# Altium PCB KlusterLab r2.0.PcbDoc (part 15 of 22) (continued)
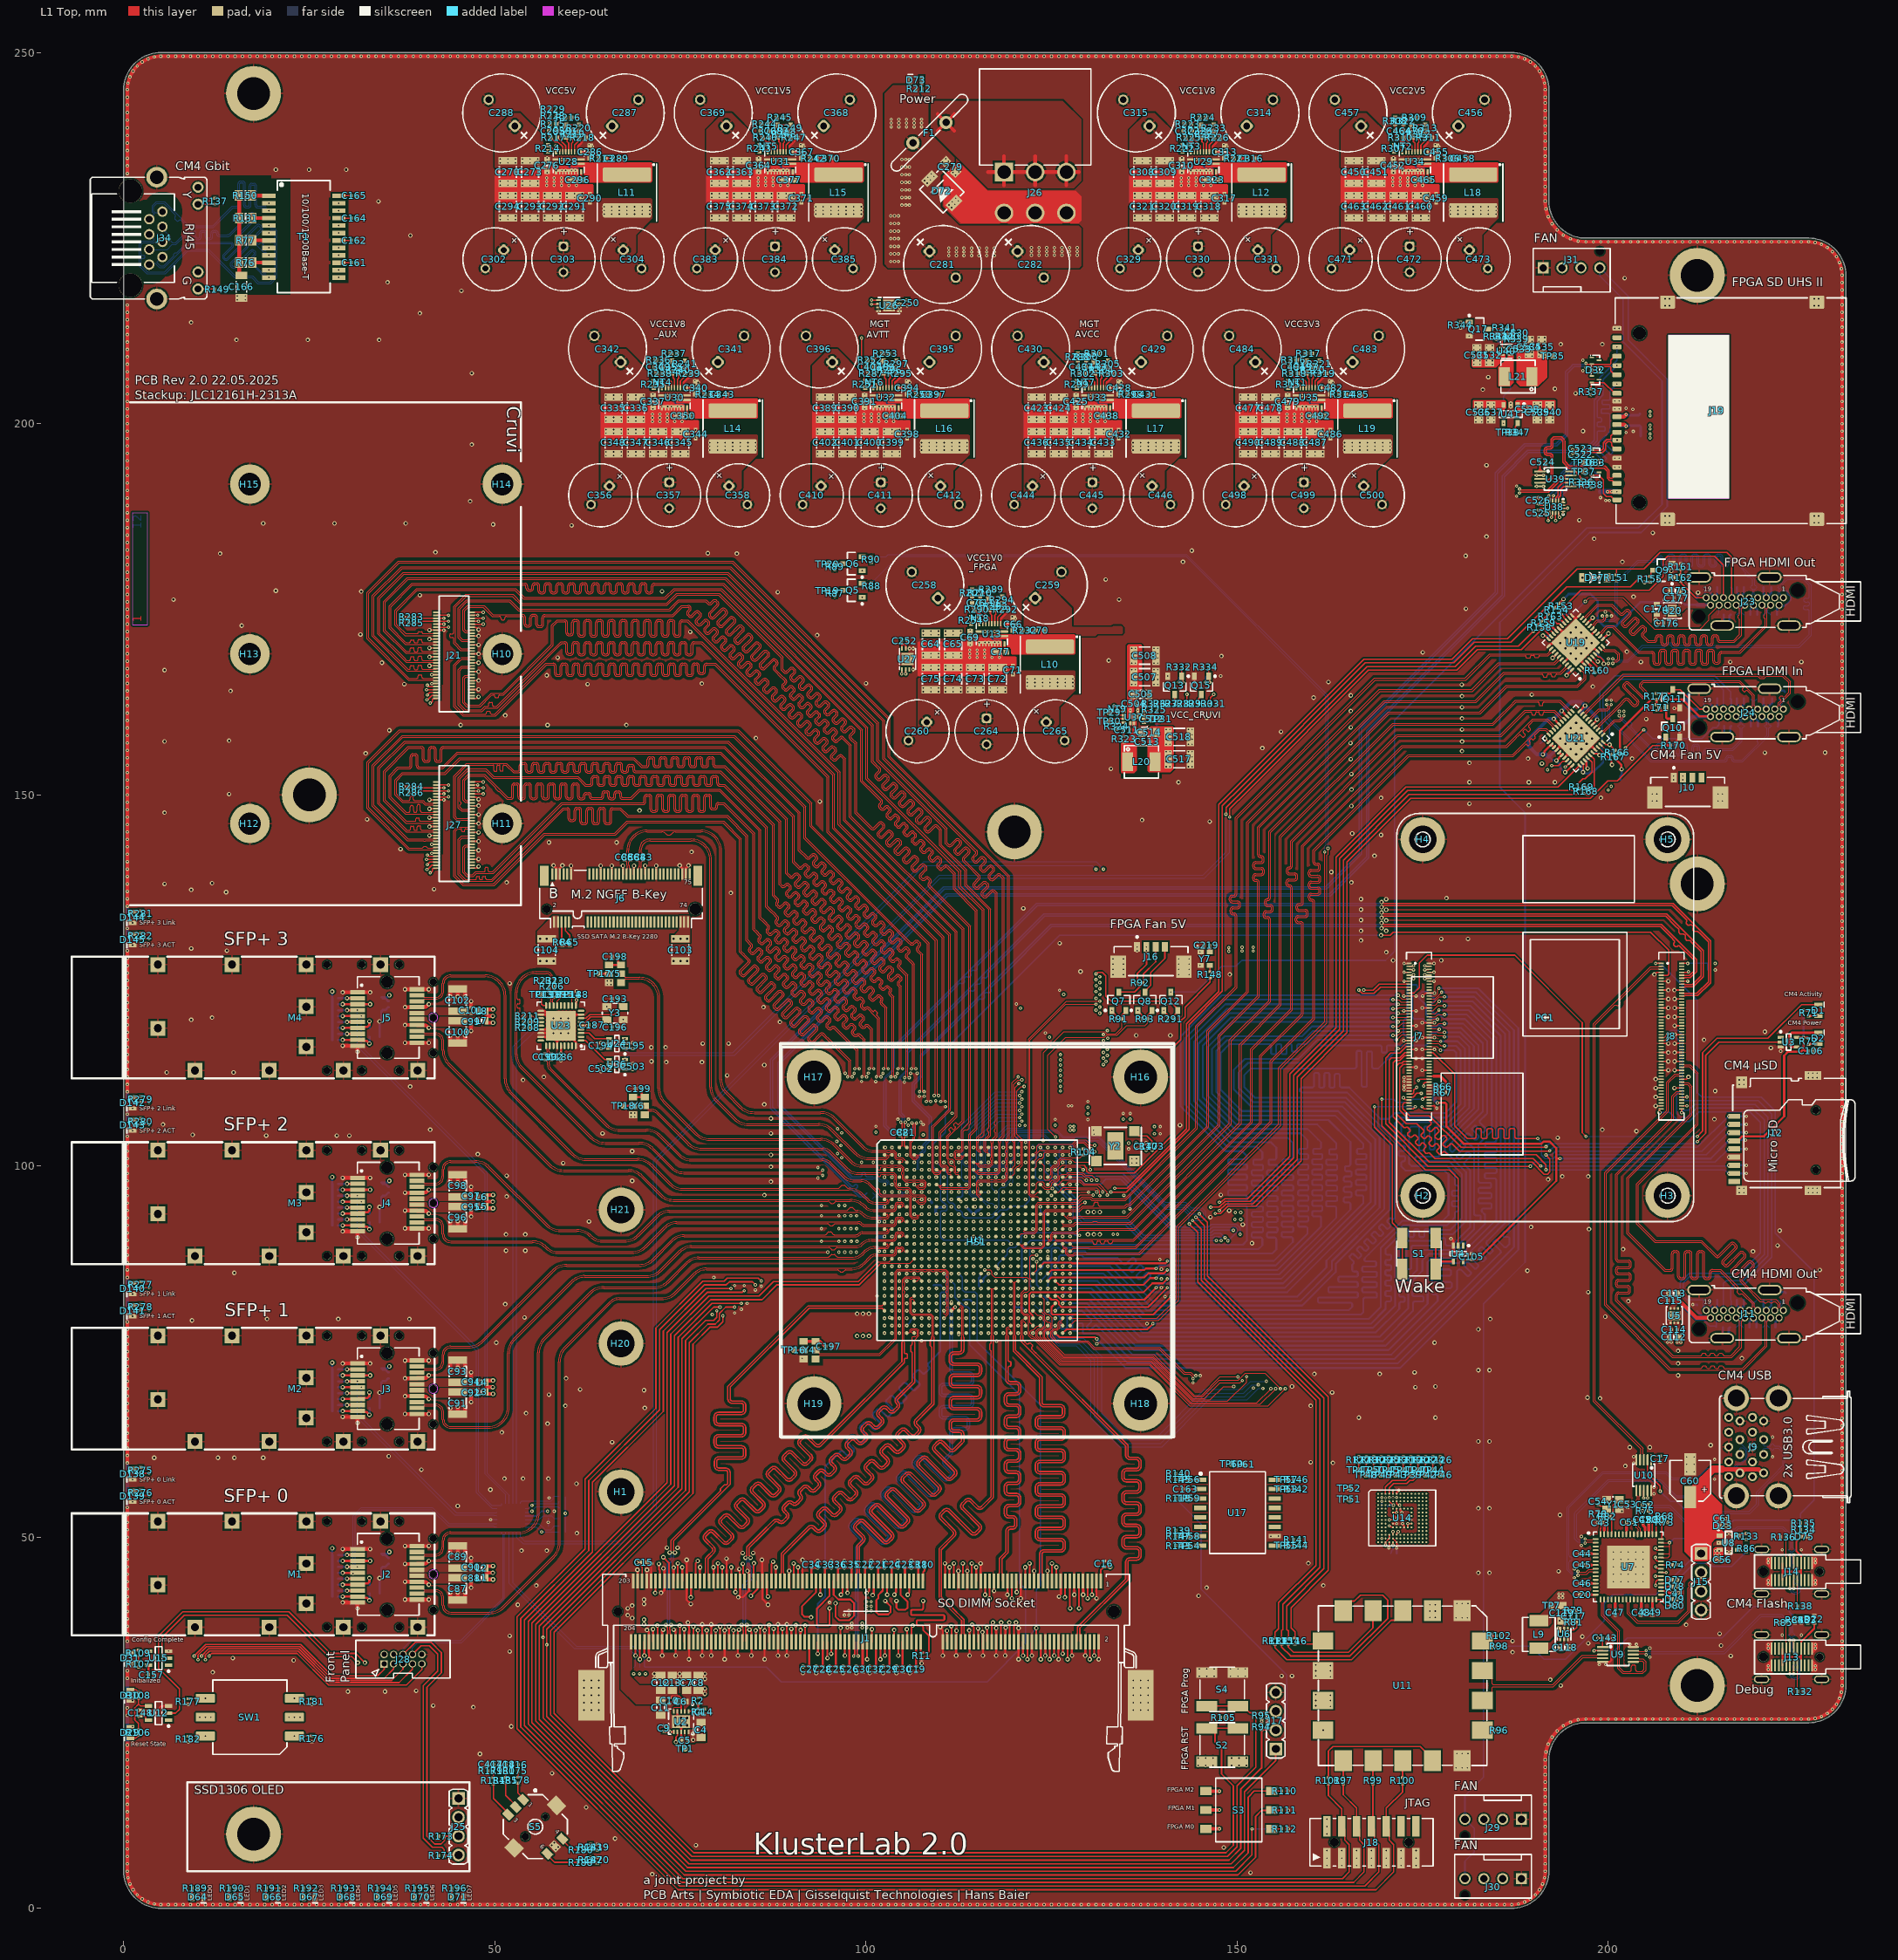
[diagram p0: L1 Top view]
## Nets (pads, with @x,y where several pads share a name; then routed paths per layer and width w, separated by ;. In a path a pad name is that pad's centre, name@x,y a point inside that pad or via, vN(x,y) a via of type N, cw(c..) or ccw(c..) an arc to the next point about the centre after c; other vN are vias at no path point) (continued)
  L12 Bottom w0.5: C246.2@101.5,90.375 101.565,90.44 102.44,90.44 v1(102.5,90.5) ; C261.2@101.7,94.475 101.725,94.5 v1(102.5,94.5) ; C178.1@209.797,162.754 C178.1@210.547,162.754 ; D51.1@211.897,161.479 211.09,161.479 210.797,161.772 210.797,162.504 C178.1@210.547,162.754 ; J24.MT@212.245,164.304 211.589,164.304 210.797,163.512 210.797,163.004 C178.1@210.547,162.754
  other v1: 10,0.5 13,0.5 29,0.5 32,0.5 36,0.5 42,0.5 48,0.5 52,0.5 54,0.5 61,0.5 70,0.5 74,0.5 76,0.5 79,0.499 85,0.499 97,0.5 101,0.5 106,0.5 109,0.5 111,0.5 114,0.5 118,0.5 132,0.5 137,0.5 140,0.5 152,0.5 155,0.5 163,0.499 170,0.499 171,0.499 173,0.499 175,0.499 177,0.499 180,0.499 181,0.499 183,0.499 4.122,0.587 187.878,0.587 3.278,0.843 188.722,0.843 2.5,1.258 189.5,1.258 10.75,1.5 15.75,1.5 20.75,1.5 25.75,1.5 30.75,1.5 35.75,1.5 40.75,1.5 45.75,1.5 1.818,1.818 190.182,1.818 1.258,2.5 190.742,2.5 0.843,3.278 191.157,3.278 0.587,4.122 191.414,4.122 162.1,5.775 164.1,5.775 166.1,5.775 168.1,5.775 170.1,5.775 172.1,5.775 174.1,5.775 0.5,6 191.5,6 162.1,6.775 164.1,6.775 166.1,6.775 168.1,6.775 170.1,6.775 172.1,6.775 174.1,6.775 63.8,6.895 162.1,7.775 164.1,7.775 166.1,7.775 168.1,7.775 170.1,7.775 172.1,7.775 174.1,7.775 58.202,7.901 58.552,8.251 57.652,8.501 63.8,8.645 58.002,8.851 191.5,9 0.5,10 156.9,10.7 191.5,11 156.9,13.2 191.5,14 156.9,15.8 191.5,17 0.5,18 191.5,18 179.5,18.925 180.3,18.925 181,18.925 191.5,19 52.355,19.35 49.055,19.4 50.705,19.395 179.6,20.875 180.3,20.875 181.1,20.875 0.5,21 191.606,21.073 191.919,22.105 8.7,22.405 25.35,22.455 192.427,23.056 193.111,23.889 193.944,24.573 194.895,25.081 195.927,25.394 198,25.5 200,25.5 203,25.5 209,25.5 210,25.5 213,25.5 217,25.5 218,25.5 219,25.5 220,25.5 221,25.5 222,25.5 223,25.5 224,25.5 225,25.5 226,25.5 227.878,25.586 148.6,25.7 228.722,25.843 229.5,26.258 2,26.7 62,26.7 63,26.7 64,26.7 136,26.7 137,26.7 138,26.7 230.182,26.818 8.7,27.455 25.35,27.455 230.742,27.5 62,27.7 63,27.7 64,27.7 136,27.7 137,27.7 138,27.7 1.2,28 231.157,28.278 62,28.7 63,28.7 64,28.7 136,28.7 137,28.7 138,28.7 231.414,29.122 226.295,29.2 62,29.7 63,29.7 64,29.7 136,29.7 137,29.7 138,29.7 62,30.7 63,30.7 64,30.7 136,30.7 137,30.7 138,30.7 231.5,31 162.55,31.2 144.9,31.25 145.9,31.25 146.9,31.25 149.1,31.25 150.1,31.25 151.1,31.25 160.6,31.3 4.215,31.45 160.6,32 162.55,32 221.55,32.166 227.9,32.166 144.9,32.25 145.9,32.25 146.9,32.25 149.1,32.25 150.1,32.25 151.1,32.25 221.55,32.666 227.9,32.666 162.55,32.7 160.6,32.8 1.2,32.9 205.6,33.85 231.5,34 6.05,34.65 194.85,34.85 205.6,35.05 221.55,35.05 227.9,35.05 194.85,35.35 221.55,35.55 227.9,35.55 185.695,36.7 223.425,36.8 226.025,36.8 97.5,37.8 98.1,37.8 98.1,38.4 225.16,38.423 226.01,38.423 223.2,38.5 193.45,38.75 194.05,38.75 179.5,39.125 180.3,39.125 181,39.125 227.75,39.375 200.95,39.455 204.45,39.455 205.95,39.455 97.1,39.5 97.7,39.5 0.5,40 231.5,40 97.7,40.1 226.295,40.7 179.6,41.075 180.3,41.075 181.1,41.075 95.1,41.2 196.155,42.25 209.445,42.5 221.55,43.666 227.9,43.666 196.155,43.75 200.7,44 201.7,44 202.7,44 203.7,44 204.7,44 221.55,44.166 227.9,44.166 195.423,44.53 200.7,45 201.7,45 202.7,45 203.7,45 204.7,45 195.423,45.73 200.7,46 201.7,46 202.7,46 203.7,46 204.7,46 231.499,46 196.155,46.25 221.55,46.55 227.9,46.55 215.795,46.95 200.7,47 201.7,47 202.7,47 203.7,47 204.7,47 231.499,47 221.55,47.05 227.9,47.05 196.155,47.75 200.7,48 201.7,48 202.7,48 203.7,48 204.7,48 216,48.05 216.5,48.05 223.425,48.3 226.025,48.3 196.386,48.893 214.853,49.242 215.353,49.242 216,49.25 216.5,49.25 169.495,49.829 223.2,50 226.85,50.05 196.386,50.093 154.535,50.125 216,50.45 216.5,50.45 231.499,51 215.875,51.55 226.69,51.9 198.555,51.95 203.245,52 215.845,52.5 204.65,52.745 205.45,52.745 206.45,52.745 207.995,52.8 0.5,53 57.995,53.5 198.65,53.495 201.85,53.5 201.15,54 202.6,54.005 204.605,54.35 1.2,54.75 200.15,54.8 198.65,55.195 57.32,55.28 199.45,55.3 142.667,56.487 165.089,56.6 1.2,57.75 214.334,57.823 210.55,58.8 211.55,58.8 210.55,59.8 211.55,59.8 150.788,59.812 206.986,60.155 166.895,60.429 167.895,60.429 168.895,60.429 169.895,60.429 170.895,60.429 171.895,60.429 172.895,60.429 173.895,60.429 174.895,60.429 175.895,60.429 176.895,60.429 214.334,60.473 210.55,60.8 211.55,60.8 222.134,60.823 222.134,63.473 231.499,64 231.499,67 144.061,70.795 0.5,71 145.016,71.75 231.5,72 91.4,74.1 231.5,75 95.5,75.7 131.102,76.05 207.977,76.254 208.477,76.254 117.598,76.4 107.5,76.475 208.202,76.954 112.5,77.3 102.5,77.5 122.5,77.5 208.482,77.954 115.498,78.5 125.5,78.5 137.85,78.75 231.5,79 108.5,79.5 118.502,79.5 208.397,79.554 208.897,79.554 209.397,79.554 1.2,79.75 79.3,80 208.397,80.154 208.897,80.154 209.397,80.154 82.3,80.2 83.2,80.7 231.5,81 84,81.5 104.5,81.5 207.982,81.854 140.3,82.4 101.475,82.5 107.5,82.5 117.5,82.5 127.5,82.5 1.2,82.75 208.102,82.854 85.1,83.3 120.5,83.5 139.8,83.6 85.9,83.8 82.3,83.9 83.6,83.9 231.5,84 103.5,84.5 113.5,84.5 139.8,84.8 79.5,85 106.5,85.5 126.5,85.5 139.8,86.1 109.5,86.5 111.5,86.5 113.5,86.5 115.5,86.5 119.5,86.5 139.6,87.4 102.5,87.5 104.5,87.5 105.5,87.5 110.5,87.5 112.5,87.5 114.5,87.5 116.5,87.5 122.5,87.5 128.495,87.5 94.855,88.4 96.355,88.4 98.705,88.4 102.5,88.5 103.5,88.5 106.5,88.5 111.5,88.5 112.5,88.5 113.5,88.5 115.5,88.5 125.5,88.5 109.5,88.7 104.5,89.5 105.5,89.5 108.5,89.5 110.5,89.5 112.5,89.5 113.5,89.5 114.5,89.5 116.5,89.5 118.5,89.5 94.005,89.85 96.355,89.85 98.795,89.85 103.5,90.5 106.5,90.5 108.5,90.5 111.5,90.5 112.5,90.5 113.5,90.5 115.5,90.5 121.5,90.5 105.5,91.5 108.5,91.5 110.5,91.5 112.5,91.5 114.5,91.5 116.5,91.5 94.005,91.55 96.355,91.55 98.745,91.55 0.5,92 102.5,92.5 106.5,92.5 111.5,92.5 113.5,92.5 115.5,92.5 127.5,92.5 94.005,93.3 96.355,93.3 98.745,93.3 104.5,93.5 105.5,93.5 108.5,93.5 110.5,93.5 112.5,93.5 120.5,93.5 103.5,94.5 106.5,94.5 94.005,94.7 96.355,94.7 105.5,95.5 116.5,95.5 126.5,95.5 124.975,96.05 217.65,96.4 218.25,96.4 226.95,96.4 227.55,96.4 228.15,96.4 102.5,96.5 106.5,96.5 109.5,96.5 119.5,96.5 217.65,97 218.25,97 226.95,97 227.55,97 228.15,97 108.5,97.484 104.5,97.504 105.5,97.5 122.5,97.5 128.4,97.5 0.5,98 231.5,98 93.534,98.393 102.5,98.5 103.5,98.5 106.5,98.5 108.5,98.5 115.5,98.5 125.5,98.5 105.5,99.5 108.5,99.5 118.5,99.5 93.534,99.807 99.4,100.503 102.5,100.5 106.5,100.5 108.5,100.5 111.5,100.5 121.493,100.507 216.2,101.2 105.5,101.5 108.5,101.5 114.5,101.5 124.5,101.5 96.171,101.679 135.4,102.305 136.4,102.305 102.6,102.5 103.5,102.5 106.5,102.5 107.2,102.5 108.5,102.5 127.5,102.5 137.75,103.145 96.071,103.329 112.475,103.575 231.5,104 130.725,104.3 139.645,104.35 1.2,104.75 130.656,104.831 96.171,105.029 139.645,105.3 101.35,105.345 105.7,105.5 107.7,105.575 107.4,105.9 129.9,106.255 104.292,106.3 105.708,106.3 125.5,106.295 68.35,106.65 68.85,106.65 134.65,107.095 135.6,107.095 111.6,107.1 68.35,107.15 68.85,107.15 1.2,107.75 110.7,108 127.275,108.1 127.725,108.1 129.9,108.695 109.4,108.8 107.2,109.4 107.846,109.4 68.9,110.4 0.5,111 217.65,111 218.25,111 231.5,111 105.153,111.3 101.319,111.382 99.4,111.4 103.282,111.4 217.65,111.6 218.25,111.6 226.95,111.9 227.55,111.9 228.15,111.9 231.5,112 97.2,112.5 98.4,112.5 102.282,112.5 104.223,112.5 106.023,112.5 106.892,112.5 226.95,112.5 227.55,112.5 228.15,112.5 100.329,112.508 64.3,112.707 67.525,113.702 68.6,113.797 231.5,114 58.9,114.2 0.5,115 227.8,115.5 231.5,116 65.375,116.502 64.3,116.597 58.9,117.9 124.171,117.929 66.7,118.7 57.9,118.9 59.9,118.9 0.5,119 63.6,119 67.3,119.725 58.9,119.9 53.9,120.2 65.1,121.475 120.271,121.829 65.7,122.5 61,123.6 126.071,123.679 0.5,124 65.15,124.45 65.65,124.45 65.15,124.95 65.65,124.95 133.275,125.8 134.675,125.8 142.125,125.8 143.525,125.8 214.4,126.4 133.275,126.5 134.675,126.5 142.125,126.5 143.525,126.5 144.999,127.014 133.275,127.2 134.675,127.2 142.125,127.2 143.525,127.2 133.275,127.9 134.675,127.9 142.125,127.9 143.525,127.9 0.5,128 65.7,128.2 144.999,128.835 136.525,129 136.525,129.5 145.505,129.719 1.2,129.75 231.5,131 1.2,132.75 231.5,134 231.499,137 231.499,139 231.499,147 0.5,147 205.935,149.182 206.535,149.182 214.785,149.182 215.385,149.182 205.935,150.118 206.535,150.118 214.785,150.118 215.385,150.118 208.803,152.016 208.803,152.516 231.5,153 143.45,153.8 143.95,153.8 143.45,154.5 143.95,154.5 0.5,155 143.45,155.1 143.95,155.1 143.45,155.8 143.95,155.8 143.45,156.8 143.95,156.8 137.505,157.15 143.45,157.5 143.95,157.5 136.904,158.046 137.404,158.046 143.45,158.1 143.95,158.1 136.904,158.746 137.404,158.746 143.45,158.8 143.95,158.8 201.497,161.254 202.097,161.254 136.6,161.4 147.195,162.266 136.545,162.3 199.797,162.754 200.397,162.754 137.8,163.2 138.3,163.2 137.8,163.9 138.3,163.9 138.8,164.85 139.3,164.85 138.8,165.55 139.3,165.55 140.65,166.001 147.8,166.001 231.5,166 138.8,166.15 139.3,166.15 138.8,166.85 139.3,166.85 106.35,166.889 107.725,166.9 108.75,166.9 109.775,166.9 110.725,166.9 111.75,166.9 112.775,166.9 113.725,166.9 114.75,166.9 115.775,166.9 116.725,166.9 117.75,166.9 118.775,166.9 141.755,167.216 143.34,167.216 145.355,167.216 146.945,167.216 119.8,167.35 107.725,167.4 108.75,167.4 109.775,167.4 110.725,167.4 111.75,167.4 112.775,167.4 113.725,167.4 114.75,167.4 115.775,167.4 116.725,167.4 117.75,167.4 118.775,167.4 138.8,167.75 139.3,167.75 200.019,167.727 105.1,167.852 106.1,167.852 105.6,168.3 200.019,168.327 138.8,168.45 139.3,168.45 113.975,168.5 114.975,168.5 115.975,168.5 116.975,168.5 117.975,168.5 107.725,168.55 108.75,168.55 109.775,168.55 110.725,168.55 111.75,168.55 112.775,168.55 105.1,168.748 106.1,168.748 113.975,169 114.975,169 115.975,169 116.975,169 117.975,169 107.725,169.05 108.75,169.05 109.775,169.05 110.725,169.05 111.75,169.05 112.775,169.05 138.8,169.05 139.3,169.05 113.975,169.5 114.975,169.5 115.975,169.5 116.975,169.5 117.975,169.5 105.85,169.714 106.35,169.714 138.8,169.75 139.3,169.75 114.05,170.2 115.25,170.5 116.044,170.529 116.544,170.529 117.35,170.55 117.85,170.55 114.05,170.7 105.595,170.752 0.501,171 119.705,173.508 120.15,173.75 119.7,174 231.5,174 200.417,174.1 208.337,174.314 208.937,174.314 199.597,174.654 208.337,174.814 208.937,174.814 208.337,175.314 208.937,175.314 0.501,176 231.5,176 231.5,179 231.5,185 207.649,186.647 208.249,186.647 227.749,186.647 228.349,186.647 0.5,187 190.593,187.586 207.649,187.583 208.249,187.583 227.749,187.583 228.349,187.583 231.5,188 199.65,189.65 200.15,189.65 231.5,190 190.593,190.026 198.95,190.055 187.65,190.25 0.5,191 231.5,191 190.35,191.55 191.25,191.55 187.65,191.6 196.4,191.705 231.5,192 190.35,193.05 191.25,193.05 231.5,194 200.874,194.14 201.474,194.14 197.806,194.75 191.595,194.8 0.5,195 200.874,195.34 201.474,195.34 194.81,195.545 194.8,196.95 231.5,198 64.975,198.7 66,198.7 67.025,198.7 67.975,198.7 69,198.7 70.025,198.7 70.975,198.7 72,198.7 73.025,198.7 73.975,198.7 75,198.7 76.025,198.7 93.475,198.7 94.5,198.7 95.525,198.7 96.475,198.7 97.5,198.7 98.525,198.7 99.475,198.7 100.5,198.7 101.525,198.7 102.475,198.7 103.5,198.7 104.525,198.7 121.975,198.7 123,198.7 124.025,198.7 124.975,198.7 126,198.7 127.025,198.7 127.975,198.7 129,198.7 130.025,198.7 130.975,198.7 132,198.7 133.025,198.7 150.475,198.7 151.5,198.7 152.525,198.7 153.475,198.7 154.5,198.7 155.525,198.7 156.475,198.7 157.5,198.7 158.525,198.7 159.475,198.7 160.5,198.7 161.525,198.7 202.4,198.825 203.35,198.955 77.05,199.15 105.55,199.15 134.05,199.15 162.55,199.15 64.975,199.2 66,199.2 67.025,199.2 67.975,199.2 69,199.2 70.025,199.2 70.975,199.2 72,199.2 73.025,199.2 73.975,199.2 75,199.2 76.025,199.2 93.475,199.2 94.5,199.2 95.525,199.2 96.475,199.2 97.5,199.2 98.525,199.2 99.475,199.2 100.5,199.2 101.525,199.2 102.475,199.2 103.5,199.2 104.525,199.2 121.975,199.2 123,199.2 124.025,199.2 124.975,199.2 126,199.2 127.025,199.2 127.975,199.2 129,199.2 130.025,199.2 130.975,199.2 132,199.2 133.025,199.2 150.475,199.2 151.5,199.2 152.525,199.2 153.475,199.2 154.5,199.2 155.525,199.2 156.475,199.2 157.5,199.2 158.525,199.2 159.475,199.2 160.5,199.2 161.525,199.2 182.15,200.25 182.95,200.25 183.8,200.25 184.6,200.25 190.05,200.25 190.85,200.25 191.7,200.25 192.5,200.25 71.225,200.3 72.225,200.3 73.225,200.3 74.225,200.3 75.225,200.3 99.725,200.3 100.725,200.3 101.725,200.3 102.725,200.3 103.725,200.3 128.225,200.3 129.225,200.3 130.225,200.3 131.225,200.3 132.225,200.3 156.725,200.3 157.725,200.3 158.725,200.3 159.725,200.3 160.725,200.3 64.975,200.35 66,200.35 67.025,200.35 67.975,200.35 69,200.35 70.025,200.35 93.475,200.35 94.5,200.35 95.525,200.35 96.475,200.35 97.5,200.35 98.525,200.35 121.975,200.35 123,200.35 124.025,200.35 124.975,200.35 126,200.35 127.025,200.35 150.475,200.35 151.5,200.35 152.525,200.35 153.475,200.35 154.5,200.35 155.525,200.35 182.15,200.75 182.95,200.75 183.8,200.75 184.6,200.75 190.05,200.75 190.85,200.75 191.7,200.75 192.5,200.75 71.225,200.8 72.225,200.8 73.225,200.8 74.225,200.8 75.225,200.8 99.725,200.8 100.725,200.8 101.725,200.8 102.725,200.8 103.725,200.8 128.225,200.8 129.225,200.8 130.225,200.8 131.225,200.8 132.225,200.8 156.725,200.8 157.725,200.8 158.725,200.8 159.725,200.8 160.725,200.8 64.975,200.85 66,200.85 67.025,200.85 67.975,200.85 69,200.85 70.025,200.85 93.475,200.85 94.5,200.85 95.525,200.85 96.475,200.85 97.5,200.85 98.525,200.85 121.975,200.85 123,200.85 124.025,200.85 124.975,200.85 126,200.85 127.025,200.85 150.475,200.85 151.5,200.85 152.525,200.85 153.475,200.85 154.5,200.85 155.525,200.85 231.5,201 71.225,201.3 72.225,201.3 73.225,201.3 74.225,201.3 75.225,201.3 99.725,201.3 100.725,201.3 101.725,201.3 102.725,201.3 103.725,201.3 128.225,201.3 129.225,201.3 130.225,201.3 131.225,201.3 132.225,201.3 156.725,201.3 157.725,201.3 158.725,201.3 159.725,201.3 160.725,201.3 188.893,201.49 189.393,201.49 203.3,201.945 200.874,201.99 201.474,201.99 71.3,202 99.8,202 128.3,202 156.8,202 202.4,202.075 186.85,202.275 72.5,202.3 101,202.3 129.5,202.3 158,202.3 73.294,202.329 73.794,202.329 101.794,202.329 102.294,202.329 130.294,202.329 130.794,202.329 158.794,202.329 159.294,202.329 74.6,202.35 75.1,202.35 103.1,202.35 103.6,202.35 131.6,202.35 132.1,202.35 160.1,202.35 160.6,202.35 71.3,202.5 99.8,202.5 128.3,202.5 156.8,202.5 186.85,202.775 200.874,203.04 201.474,203.04 76.955,205.308 105.455,205.308 133.955,205.308 162.455,205.308 77.4,205.55 105.9,205.55 134.4,205.55 162.9,205.55 76.95,205.8 105.45,205.8 133.95,205.8 162.45,205.8 231.5,206 196.586,207.133 197.806,207.243 196.576,208.538 181.9,210 182.7,210 183.6,210 184.4,210 186.81,210.337 188,210.45 181.9,210.5 182.7,210.5 183.6,210.5 184.4,210.5 0.5,211 188.95,211.1 189.75,211.1 190.65,211.1 191.45,211.1 188.95,211.6 189.75,211.6 190.65,211.6 191.45,211.6 181.265,211.8 184.9,212.145 185.7,212.145 200.874,212.84 201.474,212.84 180.1,212.905 231.5,213 0.5,215 101.689,215.15 104.514,215.15 102.652,215.4 103.548,215.4 104.514,215.65 103.1,215.9 105.552,215.905 207.649,215.897 208.249,215.897 227.749,215.897 228.349,215.897 104.514,216.15 102.652,216.4 103.548,216.4 15.3,216.7 16.4,216.7 207.649,216.833 208.249,216.833 227.749,216.833 228.349,216.833 15.3,217.2 16.4,217.2 231.5,219 231.414,220.878 31.445,221.7 231.157,221.722 230.742,222.5 230.182,223.182 229.5,223.742 228.722,224.157 227.878,224.414 198,224.5 206,224.5 208,224.5 210,224.5 213,224.5 223,224.5 226,224.5 195.927,224.606 31.445,224.7 194.895,224.919 193.944,225.427 193.111,226.111 192.427,226.944 31.445,227.7 191.919,227.895 191.606,228.927 111.531,229.119 111.181,229.469 111.981,229.569 111.631,229.919 112.431,230.019 112.081,230.369 50.725,230.5 51.75,230.5 52.775,230.5 53.725,230.5 54.75,230.5 55.775,230.5 56.725,230.5 57.75,230.5 58.775,230.5 59.725,230.5 60.75,230.5 61.775,230.5 79.225,230.5 80.25,230.5 81.275,230.5 82.225,230.5 83.25,230.5 84.275,230.5 85.225,230.5 86.25,230.5 87.275,230.5 88.225,230.5 89.25,230.5 90.275,230.5 136.225,230.5 137.25,230.5 138.275,230.5 139.225,230.5 140.25,230.5 141.275,230.5 142.225,230.5 143.25,230.5 144.275,230.5 145.225,230.5 146.25,230.5 147.275,230.5 164.725,230.5 165.75,230.5 166.775,230.5 167.725,230.5 168.75,230.5 169.775,230.5 170.725,230.5 171.75,230.5 172.775,230.5 173.725,230.5 174.75,230.5 175.775,230.5 31.445,230.7 191.499,230.896 62.8,230.95 91.3,230.95 148.3,230.95 176.8,230.95 50.725,231 51.75,231 52.775,231 53.725,231 54.75,231 55.775,231 56.725,231 57.75,231 58.775,231 59.725,231 60.75,231 61.775,231 79.225,231 80.25,231 81.275,231 82.225,231 83.25,231 84.275,231 85.225,231 86.25,231 87.275,231 88.225,231 89.25,231 90.275,231 136.225,231 137.25,231 138.275,231 139.225,231 140.25,231 141.275,231 142.225,231 143.25,231 144.275,231 145.225,231 146.25,231 147.275,231 164.725,231 165.75,231 166.775,231 167.725,231 168.75,231 169.775,231 170.725,231 171.75,231 172.775,231 173.725,231 174.75,231 175.775,231 191.499,231.922 56.975,232.1 57.975,232.1 58.975,232.1 59.975,232.1 60.975,232.1 85.475,232.1 86.475,232.1 87.475,232.1 88.475,232.1 89.475,232.1 142.475,232.1 143.475,232.1 144.475,232.1 145.475,232.1 146.475,232.1 170.975,232.1 171.975,232.1 172.975,232.1 173.975,232.1 174.975,232.1 50.725,232.15 51.75,232.15 52.775,232.15 53.725,232.15 54.75,232.15 55.775,232.15 79.225,232.15 80.25,232.15 81.275,232.15 82.225,232.15 83.25,232.15 84.275,232.15 136.225,232.15 137.25,232.15 138.275,232.15 139.225,232.15 140.25,232.15 141.275,232.15 164.725,232.15 165.75,232.15 166.775,232.15 167.725,232.15 168.75,232.15 169.775,232.15 56.975,232.6 57.975,232.6 58.975,232.6 59.975,232.6 60.975,232.6 85.475,232.6 86.475,232.6 87.475,232.6 88.475,232.6 89.475,232.6 142.475,232.6 143.475,232.6 144.475,232.6 145.475,232.6 146.475,232.6 170.975,232.6 171.975,232.6 172.975,232.6 173.975,232.6 174.975,232.6 50.725,232.65 51.75,232.65 52.775,232.65 53.725,232.65 54.75,232.65 55.775,232.65 79.225,232.65 80.25,232.65 81.275,232.65 82.225,232.65 83.25,232.65 84.275,232.65 136.225,232.65 137.25,232.65 138.275,232.65 139.225,232.65 140.25,232.65 141.275,232.65 164.725,232.65 165.75,232.65 166.775,232.65 167.725,232.65 168.75,232.65 169.775,232.65 56.975,233.1 57.975,233.1 58.975,233.1 59.975,233.1 60.975,233.1 85.475,233.1 86.475,233.1 87.475,233.1 88.475,233.1 89.475,233.1 142.475,233.1 143.475,233.1 144.475,233.1 145.475,233.1 146.475,233.1 170.975,233.1 171.975,233.1 172.975,233.1 173.975,233.1 174.975,233.1 112.064,233.486 57.05,233.8 85.55,233.8 142.55,233.8 171.05,233.8 111.714,233.836 112.514,233.936 58.25,234.1 86.75,234.1 143.75,234.1 172.25,234.1 59.044,234.129 59.544,234.129 87.544,234.129 88.044,234.129 144.544,234.129 145.044,234.129 173.044,234.129 173.544,234.129 60.35,234.15 60.85,234.15 88.85,234.15 89.35,234.15 145.85,234.15 146.35,234.15 174.35,234.15 174.85,234.15 112.164,234.286 57.05,234.3 85.55,234.3 142.55,234.3 171.05,234.3 0.5,234.739 62.705,237.108 91.205,237.108 148.205,237.108 176.705,237.108 63.15,237.35 91.65,237.35 148.65,237.35 177.15,237.35 62.7,237.6 91.2,237.6 148.2,237.6 176.7,237.6 57.455,242.35 0.587,245.878 191.414,245.878 0.843,246.722 191.157,246.722 1.258,247.5 190.742,247.5 1.818,248.182 190.182,248.182 2.5,248.742 189.5,248.742 3.278,249.157 188.722,249.157 4.122,249.414 187.878,249.414 10,249.5 11,249.5 20,249.5 24,249.5 34,249.5 35,249.5 50,249.5 56,249.5 59,249.5 61,249.5 63,249.5 70,249.5 75,249.5 79,249.5 82,249.5 85,249.5 99,249.5 101,249.5 104,249.5 106,249.5 108,249.5 112,249.5 114,249.5 139,249.5 145,249.5 159,249.5 165,249.5 184,249.5 186,249.5
  other v2: 71.2,4.6 151.8,4.8 148.2,8.2 77.1,8.5 66.2,9.4 62.3,13.6 57.7,18.2 48,20.8 52.2,24.5 74.3,24.65 75.9,24.65 75.1,25.65 75.9,25.65 47.1,27.1 41.7,27.3 30.2,29.2 35.2,29.2 39.4,29.3 193.6,30 192.2,30.8 71.5,30.9 74.9,30.9 78.3,30.9 156,31.3 157.4,31.3 71.5,31.6 74.9,31.6 78.3,31.6 12,31.8 107.498,33.003 22.9,33.4 14.7,33.7 216.5,34 187.1,34.5 52,34.6 215.2,35.4 197.3,35.7 187.1,36 196.5,36.6 52,36.7 215,37 210.5,38.2 53.1,40.9 70.1,41 70.1,41.6 144.8,42.1 145.9,43.2 55.6,43.5 161.6,43.5 182.5,45.2 184,45.2 193.3,45.4 159.6,46.5 83.393,47.866 84.807,47.866 53.6,48.2 57,48.2 73.193,48.566 74.607,48.566 61.05,50.55 193.5,53 182.5,53.9 184,53.9 45,54.2 49.4,56.4 61,57.2 51.3,57.9 53.8,57.9 57.2,57.9 40.1,59.1 198.254,59.17 202.3,59.6 162.9,60 159.9,60.1 4.1,60.7 12.7,60.7 14.9,60.7 18.8,60.7 35.7,60.9 202.9,62.1 205.6,62.1 213.8,62.4 65.8,62.8 182.5,62.9 184,62.9 50.95,64.113 57.1,65.3 166.4,66.1 176.7,66.1 54.2,66.7 70.2,67.4 59.5,67.7 159.9,67.7 198.9,68.7 197.2,68.8 57.3,69.2 162.8,69.5 70.1,69.8 61.5,69.9 174,70.2 157.4,70.3 176.7,70.3 59.6,71.4 209.4,71.8 160.4,72 169.2,72 173.9,72.2 182.5,72.5 184,72.5 209.4,73.4 218,74.1 209.4,75.1 50.2,76.2 176.6,76.2 182.5,78 9.2,79.2 19.3,79.4 28.9,79.4 38.5,79.4 184.1,79.4 54,79.6 199.6,79.7 98.8,80.1 99.6,80.1 100.4,80.1 51.4,81.4 202.7,81.8 197.3,83 14.9,85.6 189.1,85.9 228.5,86 219.5,88.5 51.5,88.6 54.1,88.6 202,88.8 222.8,89.3 152,89.6 51.5,90.8 54.1,90.8 129.9,90.8 130.7,90.8 131.5,90.8 223.1,91.3 197.4,91.5 189.6,91.8 150.757,92.101 62.678,92.519 146.4,93.1 148.934,93.985 51.6,95.9 86.31,96.084 147.8,96.1 87.2,97.9 68.5,98 191.9,98.2 193.8,98.6 197.3,98.6 51.6,98.7 87.2,99.9 59.2,100.4 87.2,101.5 47.7,101.6 68.5,102 193.2,103.8 19.2,104.1 28.7,104.1 30.4,104.1 9.3,104.2 64.5,104.4 87.2,104.4 203.8,104.7 41.3,104.9 199.2,104.9 142.3,105.5 5.3,105.6 214.3,106.3 87.2,106.4 86.3,108.3 214.4,110.1 38.6,110.7 53.8,111.6 56.6,112 81.3,112.2 5.8,112.6 14.8,112.6 86.3,113.6 73.1,114 77.9,114 71.1,114.1 221.9,115.9 71.067,115.983 73,116 78,116.5 81.5,116.5 212.9,117 136.4,117.6 141,117.6 221.1,118.1 88.4,119.4 9.1,119.7 11.9,120 86.2,121.4 52,124.6 149,125.8 128.9,126.2 57,127.6 75,127.6 56.1,127.625 57.9,127.625 74.1,127.625 75.9,127.625 171,127.7 177.5,127.7 170.1,128.8 13.9,129 9.1,129.3 126.1,130 166.7,130.4 177.5,130.6 181.1,130.6 166.7,131.687 170.082,131.689 170.082,133.104 166.7,133.133 170.082,134.518 166.7,134.544 121.2,134.7 170.082,135.932 166.7,135.955 178.2,136.1 81.8,136.8 13.8,136.9 9.1,137.2 41.8,137.3 5.5,138 11.9,138.1 51.6,138.2 165.4,138.2 162.7,139.6 168.5,141.8 76.5,142.325 37.3,142.7 57.3,143.6 66.4,143.6 169.4,144.6 165.5,144.8 146.3,146.4 137.2,146.6 32.8,146.7 5.5,147.6 69.5,147.9 165.4,148.5 189.3,148.6 181.3,148.8 93.775,149.1 169.4,149.6 199,149.6 14.2,150.1 165.413,150.712 142.1,151.7 181.3,151.7 189.3,151.7 192.8,151.7 165.4,152.8 133,153.5 181.3,154.3 165.3,154.8 189.2,154.9 203.2,154.9 195.67,155.443 32.6,155.6 221.099,155.687 229.2,155.7 180.3,155.9 194.963,156.15 196.377,156.15 153.4,156.3 194.256,156.857 195.67,156.857 197.085,156.857 165.292,156.967 5.5,157.2 180.31,157.191 14.2,157.3 193.549,157.564 194.963,157.564 196.377,157.564 197.792,157.564 85.175,157.65 194.256,158.271 195.67,158.271 197.085,158.271 155.9,158.5 35.8,158.7 180.3,158.8 194.963,158.978 196.377,158.978 165.3,159.1 45.4,159.4 57.1,159.4 67.725,159.425 195.67,159.685 205.125,160.2 180.3,160.3 145.9,160.4 51.4,160.7 165.3,161.3 180.3,161.8 160.3,163.1 180.3,163.3 165.3,163.4 189.7,163.5 14.4,164 197.914,164.596 180.272,164.85 37.8,164.9 62.5,164.9 77.875,165 100.011,165.023 162.3,165.2 57,166.1 5.5,166.8 34.8,167.8 204.4,167.9 216.422,167.912 226.022,167.912 132.7,168.1 195.636,168.343 58.475,168.5 147.9,168.7 194.929,169.05 196.343,169.05 175,169.2 202.499,169.293 194.222,169.757 195.636,169.757 197.05,169.757 193.515,170.464 194.929,170.464 196.343,170.464 197.757,170.464 194.222,171.171 195.636,171.171 197.05,171.171 93.421,171.519 31.9,171.6 194.929,171.878 196.343,171.878 76.325,171.95 195.636,172.585 15.9,172.8 180.827,175.077 6.7,176.3 134.1,176.3 203.4,176.7 39.9,176.9 88.1,177.3 32,177.4 72.525,177.425 20.5,177.5 132.3,179 142.7,181.4 201.9,181.4 180.8,182.2 13,182.5 82.6,182.5 78.695,182.553 42,182.675 143.9,182.9 198.1,184.5 183.6,184.8 206,185.3 60.35,186.3 49.775,186.425 18.8,186.575 28.4,186.575 38,186.575 196.1,187 46.675,189.55 183.6,194.4 46.9,197.2 196.6,199 195.6,204.1 183.1,204.6 192.8,204.7 183.83,206.268 46.9,206.8 193.6,210.7 199.2,210.7 15.2,211.3 24.8,211.3 34.4,211.3 9.075,213.65 39.9,214.875 45.5,217.9 35.55,219.05 202.2,219.6 38.625,225.35 34.325,229.95 20.5,234.225 24.975,234.225 29.975,234.225 106,246.3
HDMI_AVCC3V3: C181.1 C182.1 L13.2 U21.5 U21.10 U21.13 U21.16 U21.22 U21.23 U21.25 U21.26 U21.30 | length 31
  L1 Top w0.3: 191.397,155.754 191.397,155.834 U21.22@192.342,156.778 U21.23@192.695,156.425 ; v2(192.663,160.247) U21.16@193.402,159.508 ; v2(193.017,154.625) U21.26@193.756,155.364 U21.25@193.402,155.717 ; v2(193.724,161.308) U21.13@194.463,160.568 ; v2(194.197,153.054) 194.274,153.054 U21.30@195.17,153.95 ; U21.10@196.132,161.275 v2(196.871,162.015) ; U21.5@197.9,159.508 198.497,160.105 v2(198.497,160.154)
  L12 Bottom w0.3: L13.2@191.939,155.096 191.971,155.096 192.116,155.096 192.53,154.682 192.959,154.682 v2(193.017,154.625) 193.017,154.543 193.55,154.01 193.55,153.62 194.116,153.054 v2(194.197,153.054) ; C181.1@196.284,161.074 196.871,161.661 v2(196.871,162.015)
  L12 Bottom w0.5: L13.2@191.939,155.096 191.939,155.112 191.597,155.454 v2(191.197,155.454) 190.397,155.454 189.297,156.554 189.297,157.554 191.99,160.247 v2(192.663,160.247) v2(193.724,161.308) 193.751,161.308 194.997,162.554 196.332,162.554 v2(196.871,162.015) ; L13.2@191.971,155.096 192.667,155.792 C182.1@192.699,155.792 ; v2@196.904,161.982 198.478,160.407 198.478,160.173 v2(198.497,160.154)
HDMI_CM4_CEC: D12.2 J8.151 J11.13 | length 54.6
  L1 Top w0.115: J8.151@207.15,117.3 207.193,117.343 207.542,117.343 v1(208,117.8)
  L12 Bottom w0.15: v1(208,117.8) 208.5,118.3 209.4,118.3 210,117.7 210,109.1 210.3,108.8 220.2,108.8 222,107 222,87.7 218.365,84.065 217.008,84.065 216.472,83.529 D12.2@216.472,81.954 216.568,81.858 216.568,80.65 J11.13@216.664,80.554